# Altium PCB FMC_DAC_125M_14B_16CHA.PcbDoc (part 8 of 9)
Units mm, origin at the board's own origin, x right, y up, seen from the top; angles counter-clockwise.
Board outline 77.15 x 69 mm, 8 copper layers (L1, P2, L3, P4, L5, P6, L7, L8), stack 1.438 mm thick; 612 components, 516 nets, 2304 pads, 1339 vias.
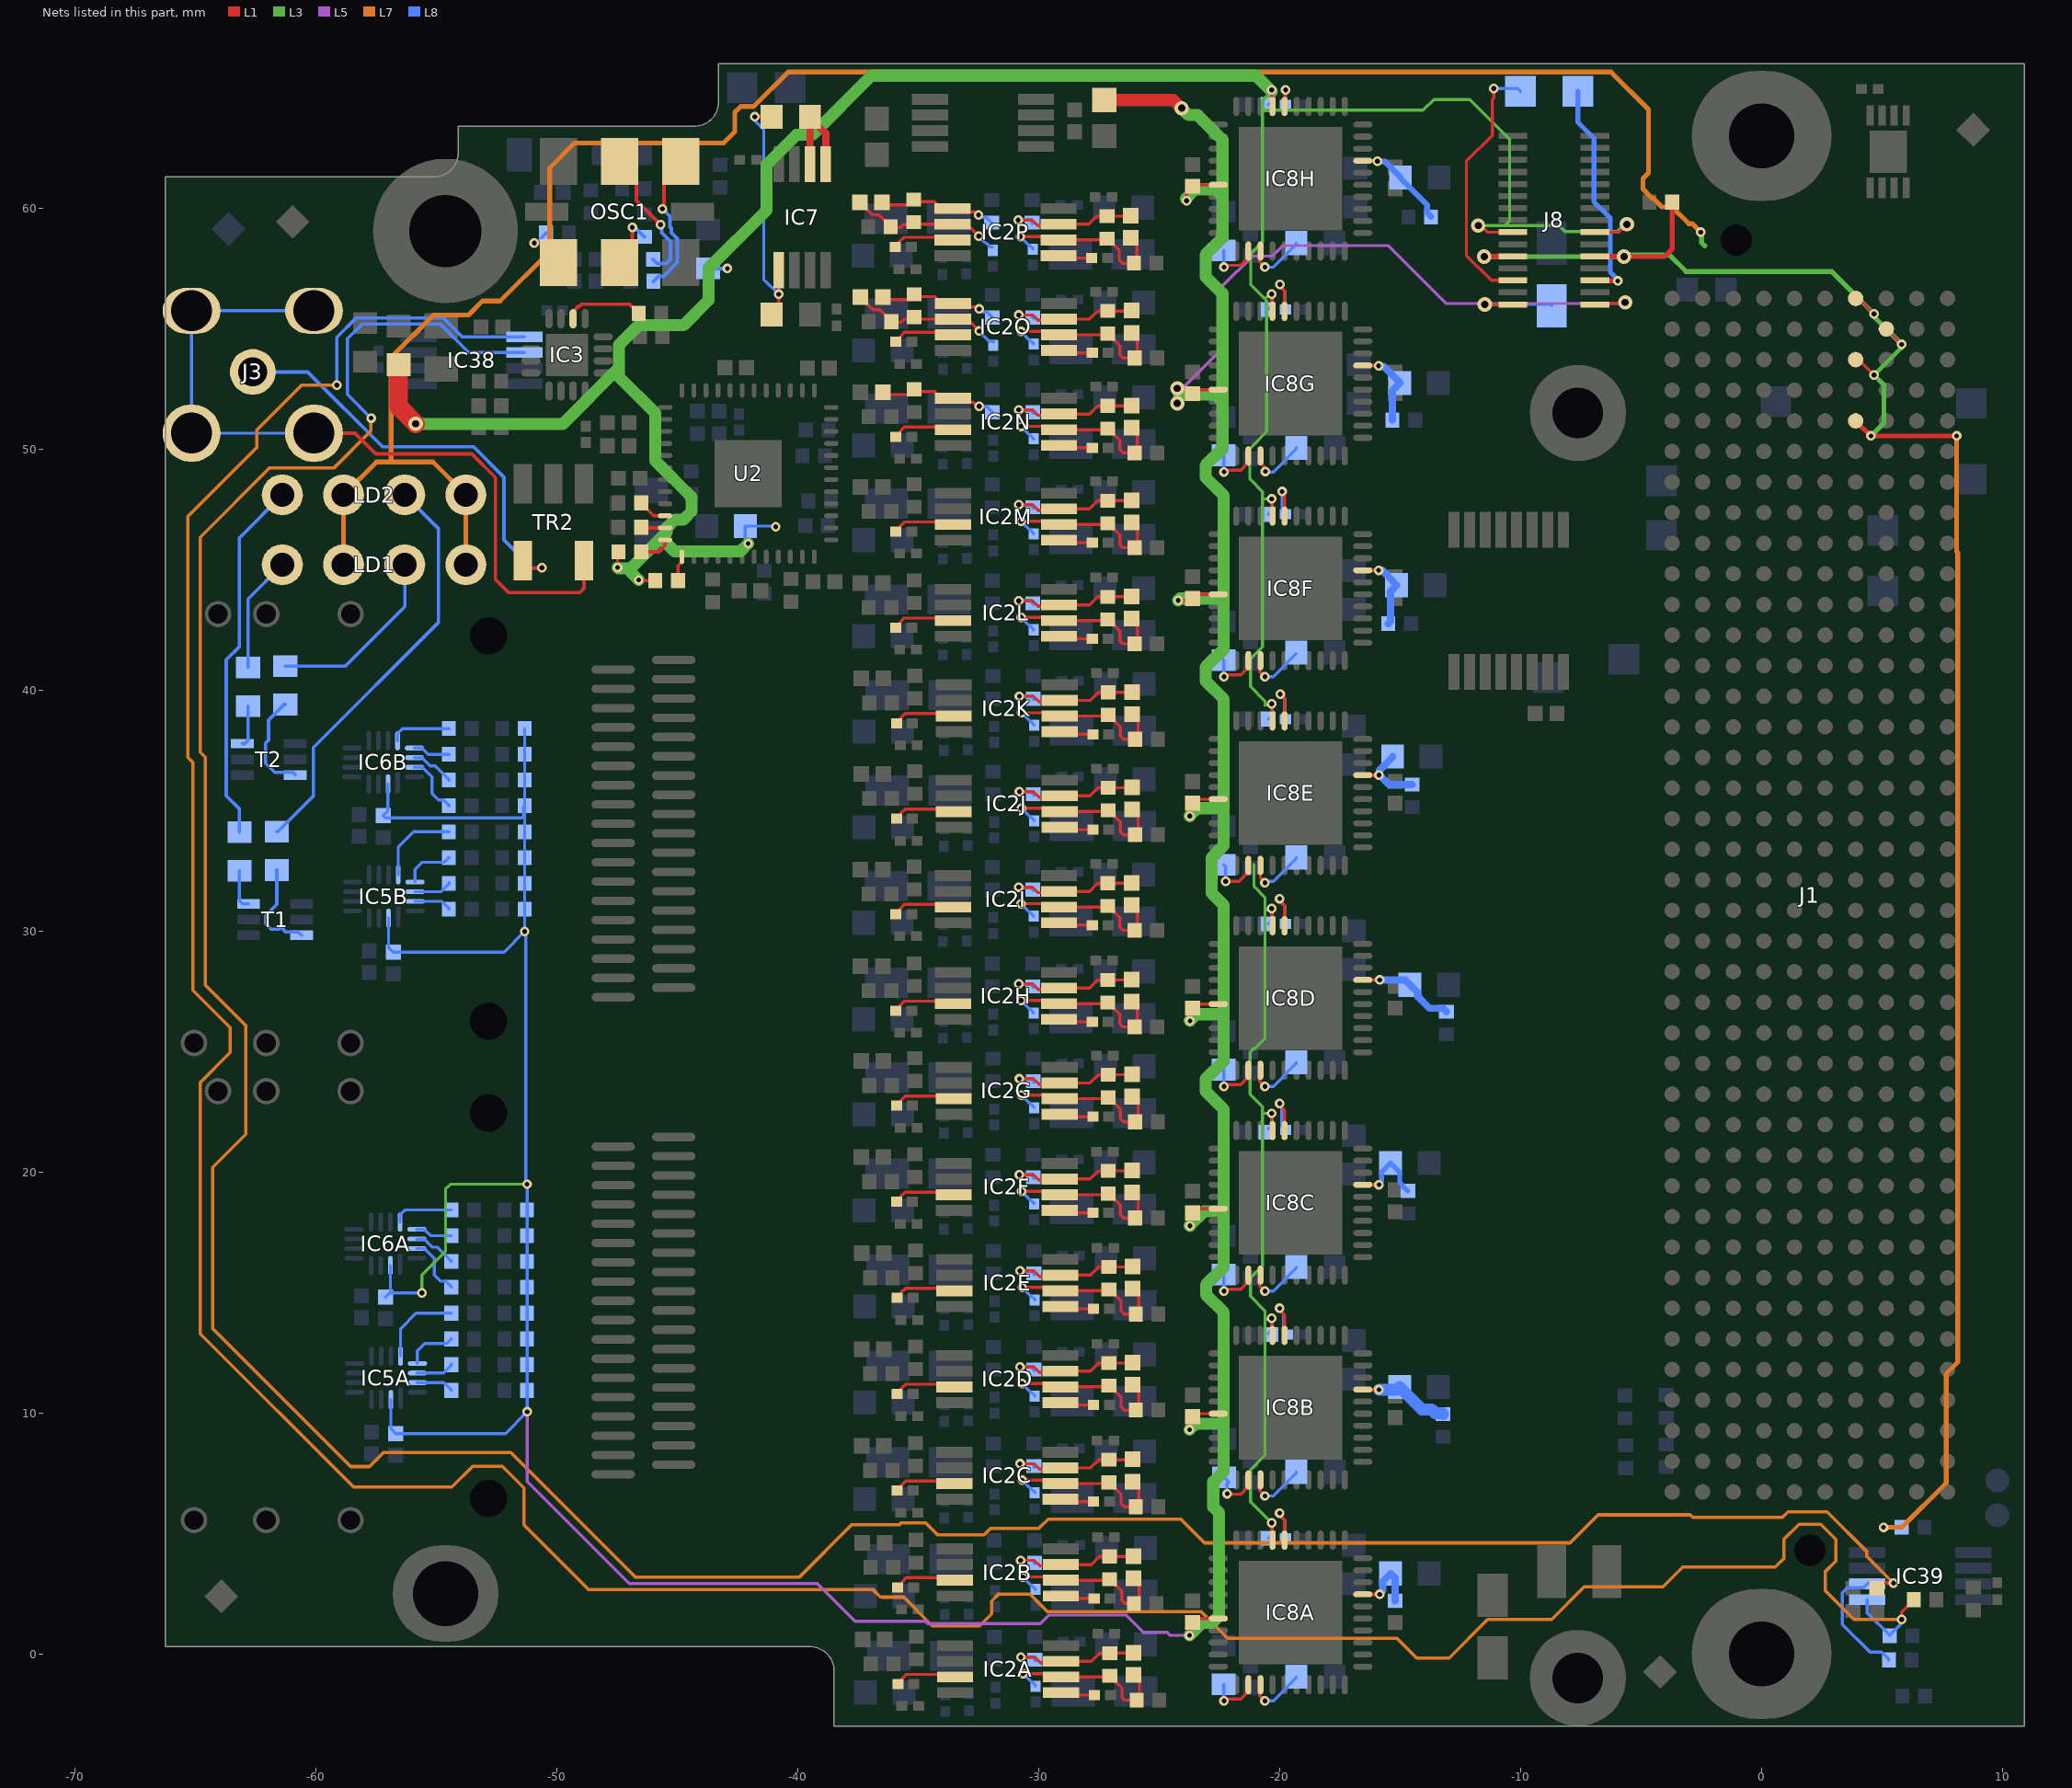
[diagram p14: the nets of this part, all layers, seen from the top]

## Via types
v1: diameter 0.4, hole 0.2, L1 to L8, tented both sides, 1114 vias
v2: diameter 0.5, hole 0.2, L1 to L8, tented both sides, 132 vias
v3: diameter 0.4, hole 0.2, L1 to L8, 61 vias
v4: diameter 0.6, hole 0.3, L1 to L8, tented both sides, 30 vias
v5: diameter 0.6, hole 0.3, L1 to L8, 2 vias

## Nets (pads, with @x,y where several pads share a name; then routed paths per layer and width w, separated by ;. In a path a pad name is that pad's centre, name@x,y a point inside that pad or via, vN(x,y) a via of type N, cw(c..) or ccw(c..) an arc to the next point about the centre after c; other vN are vias at no path point) (continued)
NetC40N_2: C40N.2 IC2N.1 R35N.2 R36N.1 | length 5.1
  L1 w0.127: C40N.2@-36.491,52.37 -36.386,52.265 -35.389,52.265 R35N.2@-35.17,52.484 -35.081,52.395 -34.321,52.395 -34.246,52.321 -34.246,52.271 -34.085,52.11 IC2N.1@-33.56,52.11 -33.398,51.948 -32.718,51.948 -32.551,51.782 v1(-32.478,51.782)
  L8 w0.127: v1(-32.478,51.782) -32.451,51.756 -32.155,51.756 R36N.1@-31.929,51.529
NetC40O_1: C40O.1 IC2O.2 R1O.2 R34O.2 R35O.1 | length 6.4
  L1 w0.127: C40O.1@-37.401,56.307 -36.885,55.791 -36.603,55.791 -36.122,55.311 R34O.2@-36.122,55.291 ; R34O.2@-36.095,55.263 -35.716,55.263 -35.596,55.384 -35.268,55.384 R35O.1@-35.17,55.481 ; R35O.1@-35.122,55.397 IC2O.2@-33.56,55.397 -32.966,55.397 v1(-32.472,54.903)
  L8 w0.127: v1(-32.472,54.903) -32.472,54.89 -32.061,54.479 -31.91,54.479 R1O.2@-31.884,54.453
NetC40O_2: C40O.2 IC2O.1 R35O.2 R36O.1 | length 5.1
  L1 w0.127: C40O.2@-36.491,56.307 -36.386,56.202 -35.389,56.202 R35O.2@-35.17,56.421 -35.081,56.332 -34.321,56.332 -34.246,56.258 -34.246,56.208 -34.085,56.047 IC2O.1@-33.56,56.047 ; IC2O.1@-33.56,56.047 -33.425,55.912 -32.646,55.912 -32.551,55.817 v1(-32.478,55.817)
  L8 w0.127: v1(-32.478,55.817) -32.438,55.817 -32.314,55.693 -32.155,55.693 R36O.1@-31.929,55.466
NetC40P_1: C40P.1 IC2P.2 R1P.2 R34P.2 R35P.1 | length 6.4
  L1 w0.127: C40P.1@-37.426,60.244 -36.911,59.728 -36.628,59.728 -36.148,59.248 R34P.2@-36.148,59.228 ; R34P.2@-36.12,59.2 -35.742,59.2 -35.622,59.321 -35.293,59.321 R35P.1@-35.195,59.418 ; R35P.1@-35.148,59.334 IC2P.2@-33.585,59.334 -32.991,59.334 v1(-32.497,58.84)
  L8 w0.127: v1(-32.497,58.84) -32.497,58.827 -32.287,58.616 -32.256,58.616 -32.156,58.516 -32.13,58.516 -32.056,58.442 -32.056,58.416 -32.029,58.39 R1P.2@-31.909,58.39
NetC40P_2: C40P.2 IC2P.1 R35P.2 R36P.1 | length 5.1
  L1 w0.127: C40P.2@-36.516,60.244 -36.412,60.139 -35.414,60.139 R35P.2@-35.195,60.358 -35.106,60.269 -34.346,60.269 -34.272,60.195 -34.272,60.145 -34.11,59.984 IC2P.1@-33.585,59.984 ; IC2P.1@-33.585,59.984 -33.451,59.849 -32.672,59.849 -32.545,59.723 v1(-32.503,59.723)
  L8 w0.127: v1(-32.503,59.723) -32.432,59.723 -32.339,59.63 -32.181,59.63 R36P.1@-31.954,59.403
NetC41A_1: C41A.1 IC2A.6 R2A.2 R37A.2 R38A.1 | length 7.4
  L1 w0.127: v1(-30.655,-0.818) -29.211,-0.818 IC2A.6@-29.074,-0.955 -27.106,-0.955 R38A.1@-27.058,-0.907 -27.038,-0.907 -26.55,-1.395 -26.55,-1.79 -26.421,-1.919 R37A.2@-25.94,-1.919 -25.821,-1.8 -25.821,-1.108 C41A.1@-26.067,-0.862
  L8 w0.127: v1(-30.655,-0.818) -30.302,-1.171 -30.279,-1.171 -30.133,-1.317 R2A.2@-30.133,-1.337
NetC41A_2: C41A.2 IC2A.7 R38A.2 R39A.1 | length 5.6
  L1 w0.127: v1(-30.746,-0.132) -30.166,-0.132 -29.94,-0.359 -29.127,-0.359 IC2A.7@-29.074,-0.305 -27.812,-0.305 -27.473,0.033 -26.072,0.033 C41A.2@-26.067,0.038
  L8 w0.127: v1@-30.769,-0.132 v1(-30.746,-0.132) -30.27,-0.132 R39A.1@-30.166,-0.236 -30.133,-0.27 R39A.1@-30.146,-0.283
NetC41B_1: C41B.1 IC2B.6 R2B.2 R37B.2 R38B.1 | length 7.3
  L1 w0.127: v1(-30.664,3.195) -29.221,3.195 IC2B.6@-29.084,3.058 -27.116,3.058 R38B.1@-27.067,3.106 -27.047,3.106 -26.559,2.618 -26.559,2.223 -26.43,2.094 -26.062,2.094 R37B.2@-26.054,2.087 -25.83,2.311 -25.83,2.905 C41B.1@-26.077,3.152
  L8 w0.127: v1(-30.664,3.195) -30.662,3.195 -30.309,2.842 -30.289,2.842 -30.143,2.696 R2B.2@-30.143,2.676
NetC41B_2: C41B.2 IC2B.7 R38B.2 R39B.1 | length 5.6
  L1 w0.127: v1(-30.756,3.881) -30.176,3.881 -29.95,3.655 -29.137,3.655 IC2B.7@-29.084,3.708 -27.822,3.708 -27.483,4.046 -26.082,4.046 C41B.2@-26.077,4.052
  L8 w0.127: v1@-30.778,3.881 v1(-30.756,3.881) -30.28,3.881 R39B.1@-30.176,3.777 -30.143,3.744 R39B.1@-30.156,3.731
NetC41C_1: C41C.1 IC2C.6 R2C.2 R37C.2 R38C.1 | length 7.4
  L1 w0.127: v1(-30.69,7.208) -29.246,7.208 IC2C.6@-29.109,7.071 -27.141,7.071 R38C.1@-27.093,7.12 -27.073,7.12 -26.585,6.632 -26.585,6.237 -26.456,6.108 R37C.2@-25.975,6.108 -25.856,6.227 -25.856,6.918 C41C.1@-26.102,7.165
  L8 w0.127: v1(-30.69,7.208) -30.337,6.856 -30.315,6.856 -30.168,6.709 R2C.2@-30.168,6.689
NetC41C_2: C41C.2 IC2C.7 R38C.2 R39C.1 | length 5.6
  L1 w0.127: v1(-30.782,7.894) -30.201,7.894 -29.975,7.668 -29.162,7.668 IC2C.7@-29.109,7.721 -27.847,7.721 -27.509,8.06 -26.108,8.06 C41C.2@-26.102,8.065
  L8 w0.127: v1@-30.804,7.894 v1(-30.782,7.894) -30.305,7.894 R39C.1@-30.201,7.79 -30.168,7.757 R39C.1@-30.181,7.744
NetC41D_1: C41D.1 IC2D.6 R2D.2 R37D.2 R38D.1 | length 7.4
  L1 w0.127: v1(-30.69,11.222) -29.246,11.222 IC2D.6@-29.109,11.084 -27.141,11.084 R38D.1@-27.093,11.133 -27.073,11.133 -26.585,10.645 -26.585,10.25 -26.456,10.121 R37D.2@-25.975,10.121 -25.856,10.24 -25.856,10.932 C41D.1@-26.102,11.178
  L8 w0.127: v1(-30.69,11.222) -30.337,10.869 -30.315,10.869 -30.168,10.722 R2D.2@-30.168,10.702
NetC41D_2: C41D.2 IC2D.7 R38D.2 R39D.1 | length 5.6
  L1 w0.127: v1(-30.782,11.907) -30.201,11.907 -29.975,11.681 -29.162,11.681 IC2D.7@-29.109,11.734 -27.847,11.734 -27.509,12.073 -26.108,12.073 C41D.2@-26.102,12.078
  L8 w0.127: v1@-30.804,11.907 v1(-30.782,11.907) -30.305,11.907 R39D.1@-30.201,11.804 -30.168,11.77 R39D.1@-30.181,11.757
NetC41E_1: C41E.1 IC2E.6 R2E.2 R37E.2 R38E.1 | length 7.4
  L1 w0.127: v1(-30.69,15.209) -29.246,15.209 IC2E.6@-29.109,15.072 -27.141,15.072 R38E.1@-27.093,15.121 -27.073,15.121 -26.585,14.633 -26.585,14.238 -26.456,14.109 R37E.2@-25.975,14.109 -25.856,14.228 -25.856,14.919 C41E.1@-26.102,15.166
  L8 w0.127: v1(-30.69,15.209) -30.687,15.209 -30.335,14.857 -30.315,14.857 -30.168,14.71 R2E.2@-30.168,14.69
NetC41E_2: C41E.2 IC2E.7 R38E.2 R39E.1 | length 5.6
  L1 w0.127: v1(-30.782,15.895) -30.201,15.895 -29.975,15.669 -29.162,15.669 IC2E.7@-29.109,15.722 -27.847,15.722 -27.509,16.061 -26.108,16.061 C41E.2@-26.102,16.066
  L8 w0.127: v1@-30.804,15.895 v1(-30.782,15.895) -30.305,15.895 R39E.1@-30.201,15.791 -30.168,15.758 R39E.1@-30.181,15.745
NetC41F_1: C41F.1 IC2F.6 R2F.2 R37F.2 R38F.1 | length 7.4
  L1 w0.127: v1(-30.715,19.197) -29.272,19.197 IC2F.6@-29.135,19.06 -27.167,19.06 R38F.1@-27.118,19.108 -27.098,19.108 -26.61,18.62 -26.61,18.225 -26.481,18.096 R37F.2@-26.001,18.096 -25.881,18.216 -25.881,18.907 C41F.1@-26.128,19.154
  L8 w0.127: v1(-30.715,19.197) -30.363,18.844 -30.34,18.844 -30.194,18.698 R2F.2@-30.194,18.678
NetC41F_2: C41F.2 IC2F.7 R38F.2 R39F.1 | length 5.6
  L1 w0.127: v1(-30.807,19.883) -30.227,19.883 -30.001,19.657 -29.188,19.657 IC2F.7@-29.135,19.71 -27.872,19.71 -27.534,20.048 -26.133,20.048 C41F.2@-26.128,20.054
  L8 w0.127: v1@-30.829,19.883 v1(-30.807,19.883) -30.33,19.883 R39F.1@-30.227,19.779 -30.193,19.746 R39F.1@-30.207,19.732
NetC41G_1: C41G.1 IC2G.6 R2G.2 R37G.2 R38G.1 | length 7.4
  L1 w0.127: v1(-30.715,23.185) -29.272,23.185 IC2G.6@-29.135,23.048 -27.167,23.048 R38G.1@-27.118,23.096 -27.098,23.096 -26.61,22.608 -26.61,22.213 -26.481,22.084 R37G.2@-26.001,22.084 -25.881,22.203 -25.881,22.895 C41G.1@-26.128,23.141
  L8 w0.127: v1(-30.715,23.185) -30.363,22.832 -30.34,22.832 -30.194,22.686 R2G.2@-30.194,22.666
NetC41G_2: C41G.2 IC2G.7 R38G.2 R39G.1 | length 5.6
  L1 w0.127: v1(-30.807,23.871) -30.227,23.871 -30.001,23.644 -29.188,23.644 IC2G.7@-29.135,23.698 -27.872,23.698 -27.534,24.036 -26.133,24.036 C41G.2@-26.128,24.041
  L8 w0.127: v1@-30.829,23.871 v1(-30.807,23.871) -30.33,23.871 R39G.1@-30.227,23.767 -30.193,23.733 R39G.1@-30.207,23.72
NetC41H_1: C41H.1 IC2H.6 R2H.2 R37H.2 R38H.1 | length 7.4
  L1 w0.127: v1(-30.741,27.122) -29.297,27.122 IC2H.6@-29.16,26.985 -27.192,26.985 R38H.1@-27.144,27.033 -27.124,27.033 -26.636,26.545 -26.636,26.15 -26.507,26.021 R37H.2@-26.026,26.021 -25.907,26.14 -25.907,26.832 C41H.1@-26.153,27.078
  L8 w0.127: v1(-30.741,27.122) -30.388,26.769 -30.365,26.769 -30.219,26.623 R2H.2@-30.219,26.603
NetC41H_2: C41H.2 IC2H.7 R38H.2 R39H.1 | length 5.6
  L1 w0.127: v1(-30.832,27.808) -30.252,27.808 -30.026,27.581 -29.213,27.581 IC2H.7@-29.16,27.635 -27.898,27.635 -27.559,27.973 -26.158,27.973 C41H.2@-26.153,27.978
  L8 w0.127: v1@-30.855,27.808 v1(-30.832,27.808) -30.356,27.808 R39H.1@-30.252,27.704 -30.219,27.67 R39H.1@-30.232,27.657
NetC41I_1: C41I.1 IC2I.6 R2I.2 R37I.2 R38I.1 | length 7.4
  L1 w0.127: v1(-30.741,31.135) -29.297,31.135 IC2I.6@-29.16,30.998 -27.192,30.998 R38I.1@-27.144,31.046 -27.124,31.046 -26.636,30.558 -26.636,30.163 -26.507,30.034 R37I.2@-26.026,30.034 -25.907,30.154 -25.907,30.845 C41I.1@-26.153,31.092
  L8 w0.127: v1(-30.741,31.135) -30.738,31.135 -30.385,30.782 -30.365,30.782 -30.219,30.636 R2I.2@-30.219,30.616
NetC41I_2: C41I.2 IC2I.7 R38I.2 R39I.1 | length 5.6
  L1 w0.127: v1(-30.832,31.821) -30.252,31.821 -30.026,31.595 -29.213,31.595 IC2I.7@-29.16,31.648 -27.898,31.648 -27.559,31.986 -26.158,31.986 C41I.2@-26.153,31.992
  L8 w0.127: v1@-30.855,31.821 v1(-30.832,31.821) -30.356,31.821 R39I.1@-30.252,31.717 -30.219,31.684 R39I.1@-30.232,31.67
NetC41J_1: C41J.1 IC2J.6 R2J.2 R37J.2 R38J.1 | length 7.4
  L1 w0.127: v1(-30.715,35.097) -29.272,35.097 IC2J.6@-29.135,34.96 -27.167,34.96 R38J.1@-27.118,35.009 -27.098,35.009 -26.61,34.521 -26.61,34.126 -26.481,33.997 R37J.2@-26.001,33.997 -25.881,34.116 -25.881,34.807 C41J.1@-26.128,35.054
  L8 w0.127: v1(-30.715,35.097) -30.363,34.745 -30.34,34.745 -30.194,34.598 R2J.2@-30.194,34.578
NetC41J_2: C41J.2 IC2J.7 R38J.2 R39J.1 | length 5.6
  L1 w0.127: v1(-30.807,35.783) -30.227,35.783 -30.001,35.557 -29.188,35.557 IC2J.7@-29.135,35.61 -27.872,35.61 -27.534,35.949 -26.133,35.949 C41J.2@-26.128,35.954
  L8 w0.127: v1@-30.829,35.783 v1(-30.807,35.783) -30.33,35.783 R39J.1@-30.227,35.679 -30.193,35.646 R39J.1@-30.207,35.633
NetC41K_1: C41K.1 IC2K.6 R2K.2 R37K.2 R38K.1 | length 7.4
  L1 w0.127: v1(-30.715,39.06) -29.272,39.06 IC2K.6@-29.135,38.923 -27.167,38.923 R38K.1@-27.118,38.971 -27.098,38.971 -26.61,38.483 -26.61,38.088 -26.481,37.959 R37K.2@-26.001,37.959 -25.881,38.078 -25.881,38.77 C41K.1@-26.128,39.016
  L8 w0.127: v1(-30.715,39.06) -30.363,38.707 -30.34,38.707 -30.194,38.561 R2K.2@-30.194,38.541
NetC41K_2: C41K.2 IC2K.7 R38K.2 R39K.1 | length 5.6
  L1 w0.127: v1(-30.807,39.746) -30.227,39.746 -30.001,39.519 -29.188,39.519 IC2K.7@-29.135,39.573 -27.872,39.573 -27.534,39.911 -26.133,39.911 C41K.2@-26.128,39.916
  L8 w0.127: v1@-30.829,39.746 v1(-30.807,39.746) -30.33,39.746 R39K.1@-30.227,39.642 -30.193,39.608 R39K.1@-30.207,39.595
NetC41L_1: C41L.1 IC2L.6 R2L.2 R37L.2 R38L.1 | length 7.4
  L1 w0.127: v1(-30.741,43.022) -29.297,43.022 IC2L.6@-29.16,42.885 -27.192,42.885 R38L.1@-27.144,42.933 -27.124,42.933 -26.636,42.445 -26.636,42.05 -26.507,41.921 R37L.2@-26.026,41.921 -25.907,42.041 -25.907,42.732 C41L.1@-26.153,42.979
  L8 w0.127: v1(-30.741,43.022) -30.388,42.669 -30.365,42.669 -30.219,42.523 R2L.2@-30.219,42.503
NetC41L_2: C41L.2 IC2L.7 R38L.2 R39L.1 | length 5.6
  L1 w0.127: v1(-30.832,43.708) -30.252,43.708 -30.026,43.482 -29.213,43.482 IC2L.7@-29.16,43.535 -27.898,43.535 -27.559,43.873 -26.158,43.873 C41L.2@-26.153,43.879
  L8 w0.127: v1@-30.855,43.708 v1(-30.832,43.708) -30.356,43.708 R39L.1@-30.252,43.604 -30.219,43.571 R39L.1@-30.232,43.558
NetC41M_1: C41M.1 IC2M.6 R2M.2 R37M.2 R38M.1 | length 7.4
  L1 w0.127: v1(-30.741,47.01) -29.297,47.01 IC2M.6@-29.16,46.873 -27.192,46.873 R38M.1@-27.144,46.921 -27.124,46.921 -26.636,46.433 -26.636,46.038 -26.507,45.909 R37M.2@-26.026,45.909 -25.907,46.029 -25.907,46.72 C41M.1@-26.153,46.967
  L8 w0.127: v1(-30.741,47.01) -30.388,46.657 -30.365,46.657 -30.219,46.511 R2M.2@-30.219,46.491
NetC41M_2: C41M.2 IC2M.7 R38M.2 R39M.1 | length 5.6
  L1 w0.127: v1(-30.832,47.696) -30.252,47.696 -30.026,47.47 -29.213,47.47 IC2M.7@-29.16,47.523 -27.898,47.523 -27.559,47.861 -26.158,47.861 C41M.2@-26.153,47.867
  L8 w0.127: v1@-30.855,47.696 v1(-30.832,47.696) -30.356,47.696 R39M.1@-30.252,47.592 -30.219,47.559 R39M.1@-30.232,47.545
NetC41N_1: C41N.1 IC2N.6 R2N.2 R37N.2 R38N.1 | length 7.4
  L1 w0.127: v1(-30.741,50.947) -29.297,50.947 IC2N.6@-29.16,50.81 -27.192,50.81 R38N.1@-27.144,50.858 -27.124,50.858 -26.636,50.37 -26.636,49.975 -26.507,49.846 R37N.2@-26.026,49.846 -25.907,49.966 -25.907,50.657 C41N.1@-26.153,50.904
  L8 w0.127: v1(-30.741,50.947) -30.388,50.594 -30.365,50.594 -30.219,50.448 R2N.2@-30.219,50.428
NetC41N_2: C41N.2 IC2N.7 R38N.2 R39N.1 | length 5.6
  L1 w0.127: v1(-30.832,51.633) -30.252,51.633 -30.026,51.407 -29.213,51.407 IC2N.7@-29.16,51.46 -27.898,51.46 -27.559,51.798 -26.158,51.798 C41N.2@-26.153,51.804
  L8 w0.127: v1@-30.855,51.633 v1(-30.832,51.633) -30.356,51.633 R39N.1@-30.252,51.529 -30.219,51.496 R39N.1@-30.232,51.482
NetC41O_1: C41O.1 IC2O.6 R2O.2 R37O.2 R38O.1 | length 7.4
  L1 w0.127: v1(-30.741,54.884) -29.297,54.884 IC2O.6@-29.16,54.747 -27.192,54.747 R38O.1@-27.144,54.795 -27.124,54.795 -26.636,54.307 -26.636,53.912 -26.507,53.783 R37O.2@-26.026,53.783 -25.907,53.903 -25.907,54.594 C41O.1@-26.153,54.841
  L8 w0.127: v1(-30.741,54.884) -30.738,54.884 -30.385,54.531 -30.365,54.531 -30.219,54.385 R2O.2@-30.219,54.365
NetC41O_2: C41O.2 IC2O.7 R38O.2 R39O.1 | length 5.6
  L1 w0.127: v1(-30.832,55.57) -30.252,55.57 -30.026,55.344 -29.213,55.344 IC2O.7@-29.16,55.397 -27.898,55.397 -27.559,55.735 -26.158,55.735 C41O.2@-26.153,55.741
  L8 w0.127: v1@-30.855,55.57 v1(-30.832,55.57) -30.356,55.57 R39O.1@-30.252,55.466 -30.219,55.433 R39O.1@-30.232,55.42
NetC41P_1: C41P.1 IC2P.6 R2P.2 R37P.2 R38P.1 | length 7.4
  L1 w0.127: v1(-30.766,58.821) -29.323,58.821 IC2P.6@-29.185,58.684 -27.217,58.684 R38P.1@-27.169,58.732 -27.149,58.732 -26.661,58.244 -26.661,57.849 -26.532,57.72 R37P.2@-26.051,57.72 -25.932,57.84 -25.932,58.531 C41P.1@-26.178,58.778
  L8 w0.127: v1(-30.766,58.821) -30.413,58.468 -30.391,58.468 -30.244,58.322 R2P.2@-30.244,58.302
NetC41P_2: C41P.2 IC2P.7 R38P.2 R39P.1 | length 5.6
  L1 w0.127: v1(-30.858,59.507) -30.277,59.507 -30.051,59.281 -29.238,59.281 IC2P.7@-29.185,59.334 -27.923,59.334 -27.585,59.672 -26.184,59.672 C41P.2@-26.178,59.678
  L8 w0.127: v1@-30.88,59.507 v1(-30.858,59.507) -30.381,59.507 R39P.1@-30.277,59.403 -30.244,59.37 R39P.1@-30.257,59.357
NetC43A_2: C43A.2 IC8A.7 R68A.2 | length 3
  L1 w0.152: IC8A.7@-16.552,2.472 v3(-15.852,2.472)
  L8 w0.3: v3(-15.852,2.472) -15.852,2.499 -15.722,2.63 -15.722,3.012 C43A.2@-15.397,3.337 -15.215,3.155 R68A.2@-15.215,2.203
NetC43B_2: C43B.2 IC8B.7 R68B.2 | length 3.9
  L1 w0.152: IC8B.7@-16.552,10.972 -16.548,10.969 -15.885,10.969 v3(-15.881,10.965)
  L8 w0.5: v3(-15.881,10.965) -15.133,10.965 C43B.2@-15.014,11.084 -15.014,11.059 -14.104,10.149 -13.699,10.149 -13.548,9.997 -13.262,9.997 R68B.2@-13.222,9.957
NetC43C_2: C43C.2 IC8C.7 R68C.2 | length 3.2
  L1 w0.152: IC8C.7@-16.552,19.472 v3(-15.882,19.472)
  L8 w0.2: v3(-15.882,19.472) -15.882,19.526 -15.772,19.636 -15.772,19.997 C43C.2@-15.397,20.372 -15.022,19.997 -15.022,19.566 -14.882,19.426 -14.882,19.406 -14.692,19.216 R68C.2@-14.672,19.216
NetC43D_2: C43D.2 IC8D.7 R68D.2 | length 4.1
  L1 w0.152: IC8D.7@-16.552,27.972 v3(-15.852,27.972)
  L8 w0.3: v3(-15.852,27.972) -14.797,27.972 C43D.2@-14.597,27.772 -14.272,27.447 -14.272,27.28 -13.79,26.798 -13.222,26.798 R68D.2@-13.082,26.658
NetC43E_2: C43E.2 IC8E.7 R68E.2 | length 3.2
  L1 w0.152: IC8E.7@-16.551,36.472 v3(-15.881,36.471)
  L8 w0.3: C43E.2@-15.315,37.247 -15.315,37.222 -15.862,36.675 -15.862,36.49 v3(-15.881,36.471) -15.854,36.471 -15.466,36.083 R68E.2@-14.509,36.083
NetC43F_2: C43F.2 IC8F.7 R68F.2 | length 3.2
  L1 w0.152: IC8F.7@-16.552,44.972 v3(-15.895,44.972)
  L8 w0.3: v3(-15.895,44.972) -15.743,44.972 -15.298,44.527 C43F.2@-15.298,44.502 ; R68F.2@-15.492,42.766 -15.404,42.854 -15.404,44.097 C43F.2@-15.148,44.353
NetC43G_2: C43G.2 IC8G.7 R68G.2 | length 3.5
  L1 w0.152: IC8G.7@-16.552,53.472 -16.544,53.464 -15.903,53.464 v3(-15.895,53.456)
  L8 w0.3: v3(-15.895,53.456) -15.875,53.437 -15.686,53.437 -15.014,52.765 C43G.2@-15.014,52.74 -15.323,52.431 R68G.2@-15.323,51.209
NetC43H_2: C43H.2 IC8H.7 R68H.2 | length 4
  L1 w0.152: IC8H.7@-16.552,61.972 -16.544,61.964 -15.955,61.964 v3(-15.947,61.956)
  L8 w0.254: v3(-15.947,61.956) -15.919,61.928 -15.622,61.928 -14.99,61.296 C43H.2@-14.99,61.271 -14.99,61.246 -13.883,60.139 -13.883,59.817 R68H.2@-13.72,59.654
NetC113_1: C113.1 TR2.6 | length 1.6
  L1 w0.145: TR2.6@-51.416,45.38 -51.116,45.08 v1(-50.629,45.08)
  L8 w0.145: C113.1@-51.315,45.06 -50.649,45.06 v1(-50.629,45.08)
NetC113_2: C113.2 J3.1 | length 15.9
  L8 w0.145: J3.1@-62.625,53.204 -60.346,53.204 -57.239,50.098 -53.462,50.098 -52.198,48.834 -52.198,46.231 -51.727,45.76 C113.2@-51.315,45.76
NetIC2A_3: IC2A.3 R66A.2 | length 2.1
  L1 w0.127: R66A.2@-35.846,-1.25 -35.826,-1.25 -35.679,-1.103 -35.679,-1.034 -35.495,-0.849 -34.113,-0.849 IC2A.3@-33.966,-0.996
NetIC2A_5: IC2A.5 R67A.2 | length 1.4
  L1 w0.127: IC2A.5@-29.013,-1.631 -28.937,-1.707 R67A.2@-27.693,-1.707
NetIC2B_3: IC2B.3 R66B.2 | length 2.1
  L1 w0.127: R66B.2@-35.856,2.764 -35.836,2.764 -35.689,2.91 -35.689,2.98 -35.505,3.164 -34.123,3.164 IC2B.3@-33.976,3.018
NetIC2B_5: IC2B.5 R67B.2 | length 1.4
  L1 w0.127: IC2B.5@-29.023,2.383 -28.947,2.306 R67B.2@-27.702,2.306
NetIC2C_3: IC2C.3 R66C.2 | length 2.1
  L1 w0.127: R66C.2@-35.881,6.777 -35.861,6.777 -35.715,6.923 -35.715,6.993 -35.53,7.177 -34.148,7.177 IC2C.3@-34.002,7.031
NetIC2C_5: IC2C.5 R67C.2 | length 1.4
  L1 w0.127: IC2C.5@-29.049,6.396 -28.972,6.32 R67C.2@-27.728,6.32
NetIC2D_3: IC2D.3 R66D.2 | length 2.1
  L1 w0.127: R66D.2@-35.881,10.79 -35.861,10.79 -35.715,10.936 -35.715,11.006 -35.53,11.19 -34.148,11.19 IC2D.3@-34.002,11.044
NetIC2D_5: IC2D.5 R67D.2 | length 1.4
  L1 w0.127: IC2D.5@-29.049,10.409 -28.972,10.333 R67D.2@-27.728,10.333
NetIC2E_3: IC2E.3 R66E.2 | length 2.1
  L1 w0.127: R66E.2@-35.881,14.778 -35.861,14.778 -35.715,14.924 -35.715,14.994 -35.53,15.178 -34.148,15.178 IC2E.3@-34.002,15.032
NetIC2E_5: IC2E.5 R67E.2 | length 1.4
  L1 w0.127: IC2E.5@-29.049,14.397 -28.972,14.321 R67E.2@-27.728,14.321
NetIC2F_3: IC2F.3 R66F.2 | length 2.1
  L1 w0.127: R66F.2@-35.906,18.765 -35.886,18.765 -35.74,18.912 -35.74,18.981 -35.555,19.166 -34.174,19.166 IC2F.3@-34.027,19.019
NetIC2F_5: IC2F.5 R67F.2 | length 1.4
  L1 w0.127: IC2F.5@-29.074,18.384 -28.998,18.308 R67F.2@-27.753,18.308
NetIC2G_3: IC2G.3 R66G.2 | length 2.1
  L1 w0.127: R66G.2@-35.906,22.753 -35.886,22.753 -35.74,22.9 -35.74,22.969 -35.555,23.154 -34.174,23.154 IC2G.3@-34.027,23.007
NetIC2G_5: IC2G.5 R67G.2 | length 1.4
  L1 w0.127: IC2G.5@-29.074,22.372 -28.998,22.296 R67G.2@-27.753,22.296
NetIC2H_3: IC2H.3 R66H.2 | length 2.1
  L1 w0.127: R66H.2@-35.932,26.69 -35.912,26.69 -35.765,26.837 -35.765,26.906 -35.581,27.091 -34.199,27.091 IC2H.3@-34.052,26.944